# Allegro board MB1045.brd (continued)
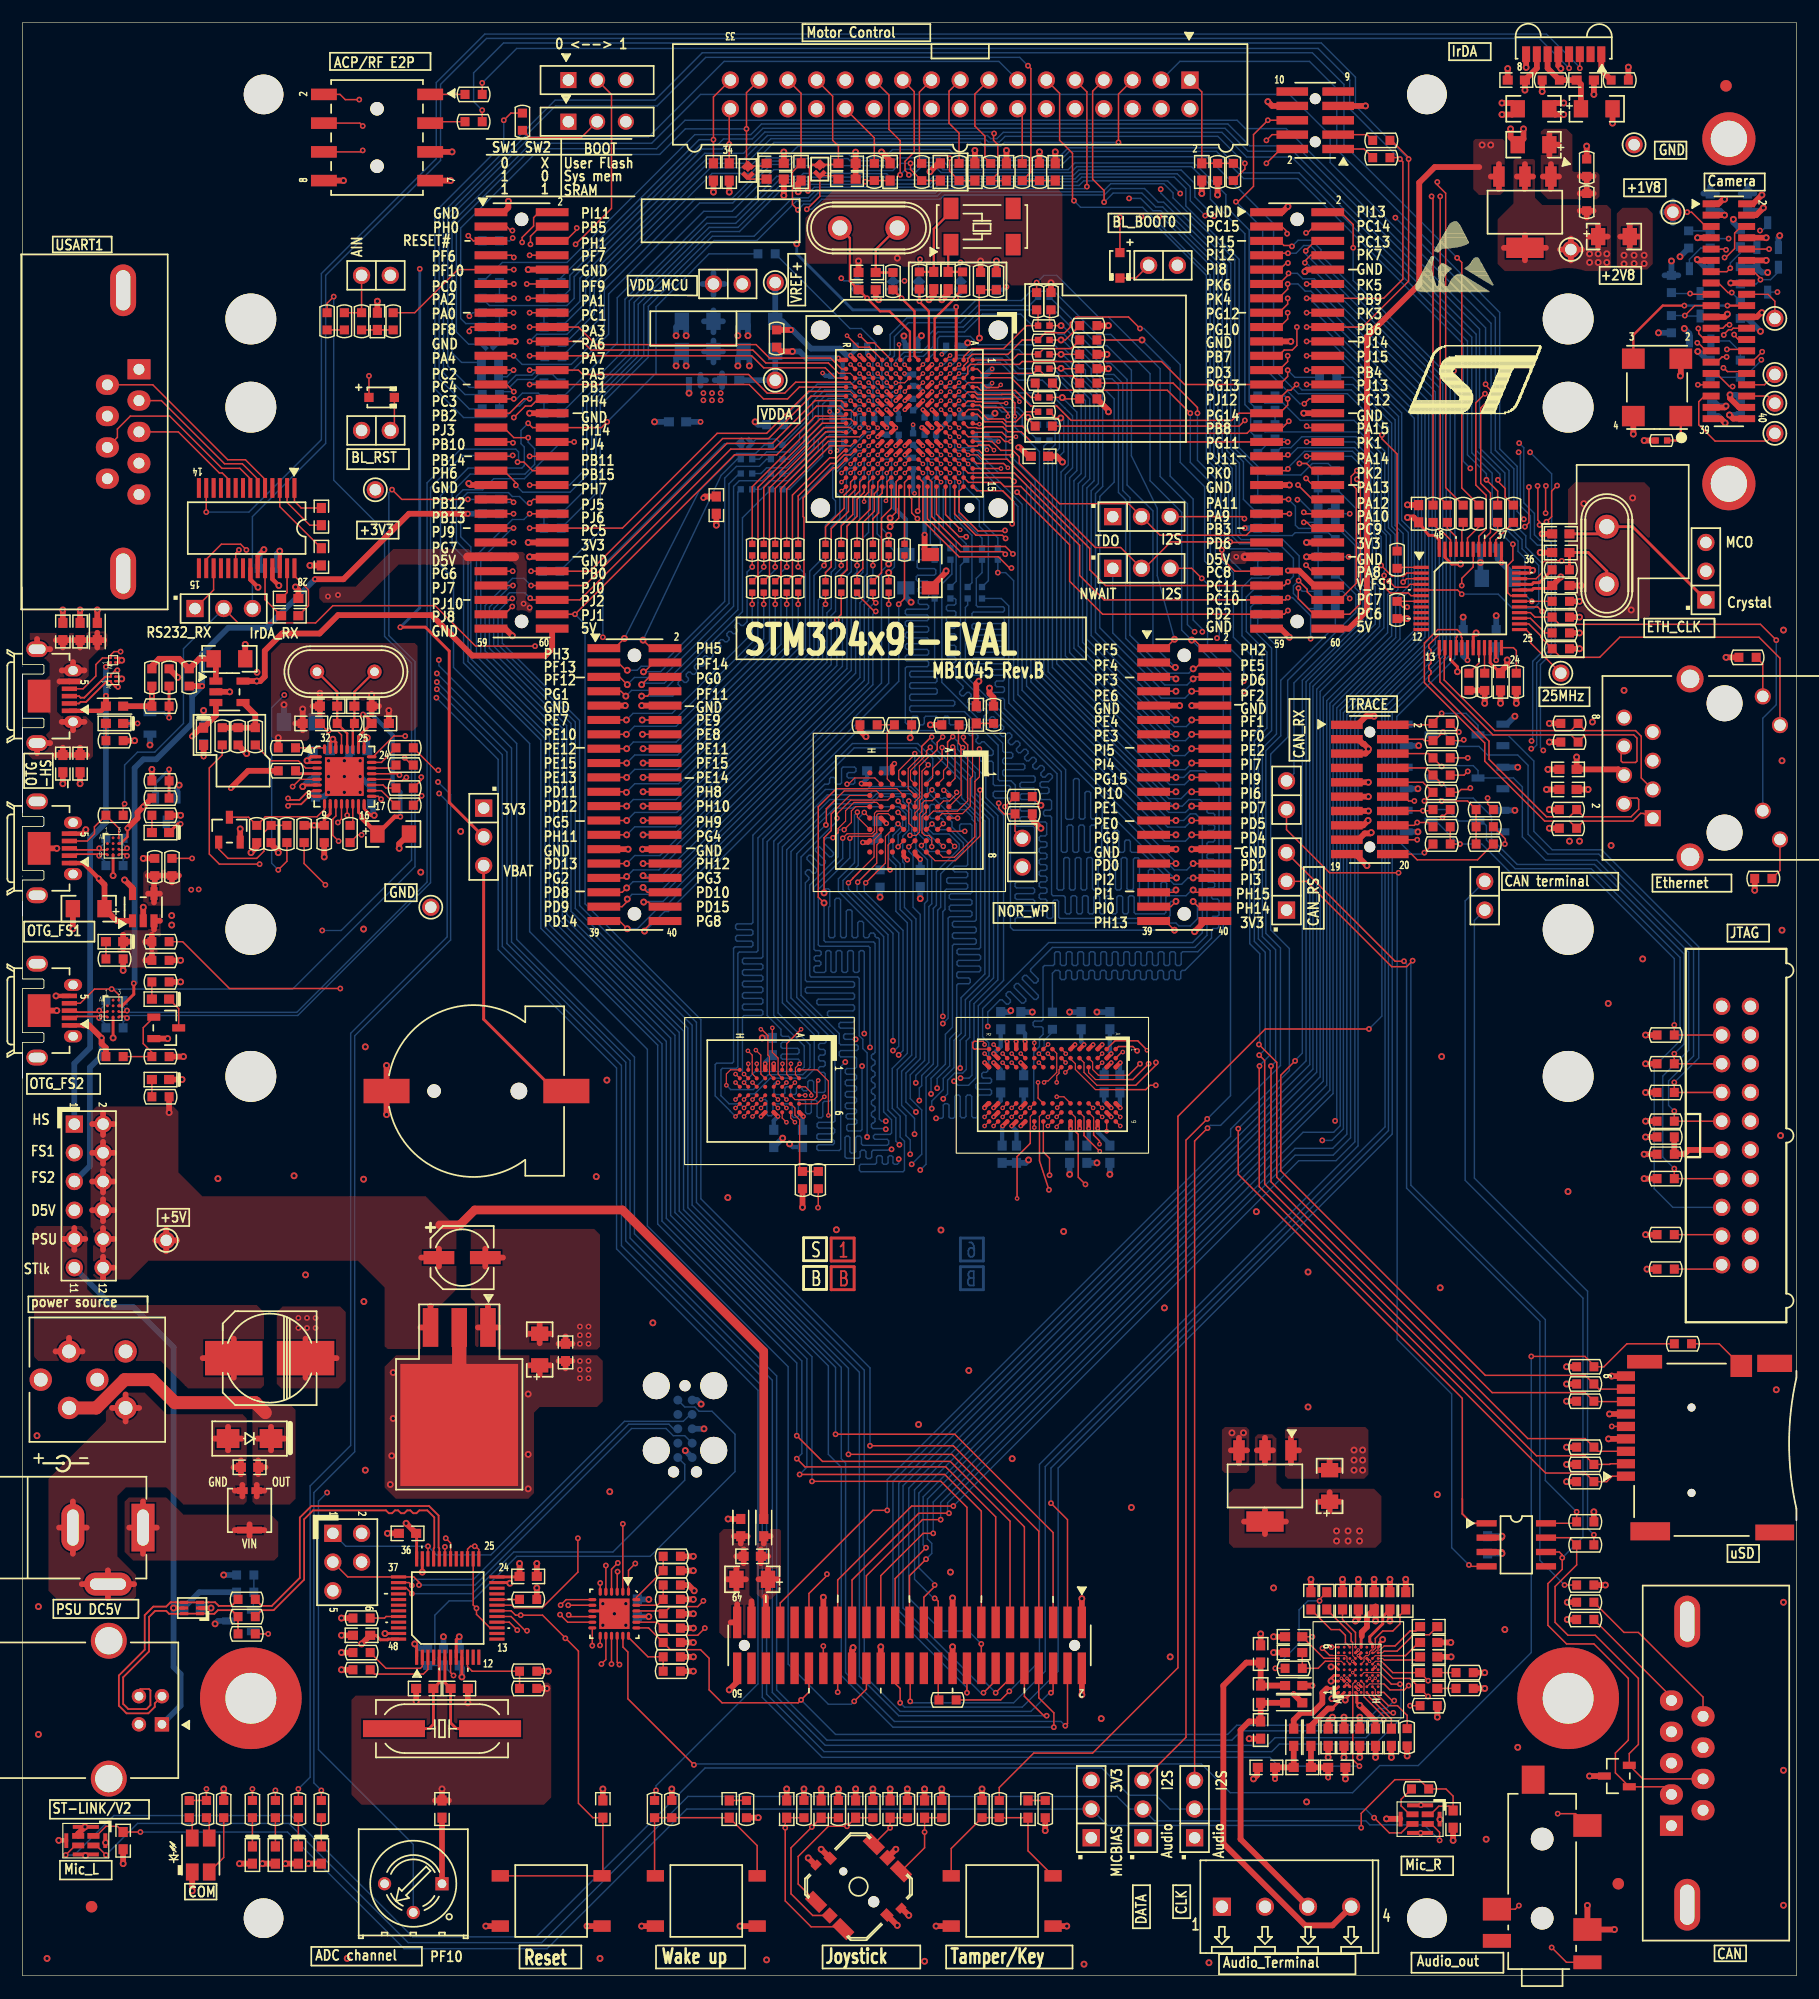
[diagram p0: board, top side]
## Routing (per net, layer and track width the routed paths; a pad name or vN(x,y) marks a point on that pad's centre or on a via; arc(x,y) is an arc through that point) (continued)
  BOTTOM w0.127: v1(107.29,156.88) 109.65,154.51 109.65,142.32 112.95,139.01 v1(113.33,139.01)
PAR_D10: length 115.2
  TOP w0.102: v2(83.61,134.49) 83.62,134.49 84.45,134.49 84.84,134.11 85.09,134.11
  TOP w0.127: v2(83.61,134.49) U3.B11 ; CN5.5 148.84,154.69 147.58,155.96 v1(147.19,155.96) ; 85.09,134.11 87.05,134.11 94.86,126.3 97.09,126.3 JP5.2 99.19,124.46 101.52,126.8 v1(106.78,126.8) 106.83,126.75 CN7.47
  L4_SIG w0.102: v1(100.51,155.57) 101.24,154.84 108.11,154.84 110.24,156.97 123.7,156.97 124.08,156.59 125.22,156.59 125.93,157.3 145.97,157.3 147.19,156.08 v1(147.19,155.96)
  BOTTOM w0.127: v1(106.78,126.8) 106.63,126.95 106.63,133.17 105.33,134.47 105.33,150.93 100.69,155.57 v1(100.51,155.57)
PAR_D11: length 108.2
  TOP w0.127: CN5.6 151.98,154.69 151.38,154.1 151.38,152.73 150.6,151.94 v1(150.5,151.94) ; v1(87.93,131.19) 92.58,126.54 92.58,123.32 95.5,120.4 CN7.57 111.56,120.4 v1(111.89,120.73) ; v2(82.01,133.69) U3.D12
  L4_SIG w0.102: v2(82.01,133.69) 82.45,133.24 83.85,133.24 84.89,132.21 86.93,132.21 87.93,131.2 v1(87.93,131.19) ; v1(111.89,120.73) 112.06,120.9 114.55,120.9 115.77,122.12 115.77,126.26 117.83,128.32 122.63,128.32 123.24,128.93 131.27,128.93 132.89,130.56 135.66,130.56 137.31,132.21 146.56,132.21 152.1,137.74 152.1,147.02 150.99,148.12 150.62,148.12 150.19,148.56 150.19,151.63 v1(150.5,151.94)
  BOTTOM w0.127: v1(111.89,120.73) 111.56,120.4 R294.2
PB0: length 103.3
  TOP w0.127: U3.R5 69.71,139.69 65.96,135.94 61.9,135.94 50.16,124.21 CN6.52 v1(44.96,124.21) ; R102.2 36.53,106.6 v1(36.75,106.6)
  L4_SIG w0.102: v1(36.75,106.6) 36.75,107.06 41.02,111.33 41.02,114.09 41.12,114.19 42.29,114.19 42.39,114.29 42.39,114.5 42.29,114.6 41.12,114.6 41.02,114.7 41.02,114.9 41.12,115 42.29,115 42.39,115.11 42.39,115.31 42.29,115.41 41.12,115.41 41.02,115.51 41.02,115.72 41.12,115.82 42.29,115.82 42.39,115.92 42.39,116.12 42.29,116.22 41.12,116.22 41.02,116.32 41.02,116.53 41.12,116.63 42.29,116.63 42.39,116.73 42.39,116.93 42.29,117.04 41.12,117.04 41.02,117.14 41.02,117.34 41.12,117.44 42.29,117.44 42.39,117.54 42.39,117.75 42.29,117.85 41.12,117.85 41.02,117.95 41.02,118.15 41.12,118.26 42.29,118.26 42.39,118.36 42.39,118.56 42.29,118.66 41.12,118.66 41.02,118.76 41.02,118.97 41.12,119.07 42.29,119.07 42.39,119.17 42.39,119.37 42.29,119.47 41.12,119.47 41.02,119.58 41.02,119.78 41.12,119.88 42.29,119.88 42.39,119.98 42.39,120.19 42.29,120.29 41.12,120.29 41.02,120.39 41.02,120.59 41.12,120.69 42.29,120.69 42.39,120.8 42.39,121 42.29,121.1 41.12,121.1 41.02,121.2 41.02,121.4 41.12,121.51 42.29,121.51 42.39,121.61 42.39,121.81 42.29,121.91 41.12,121.91 41.02,122.01 41.02,122.22 41.12,122.32 42.29,122.32 42.39,122.42 42.39,122.62 42.29,122.73 41.12,122.73 41.02,122.83 41.02,123.03 41.12,123.13 42.29,123.13 42.39,123.23 42.39,123.44 42.29,123.54 41.12,123.54 41.02,123.64 41.02,123.84 41.12,123.94 42.29,123.94 42.39,124.05 42.39,124.25 42.29,124.35 41.15,124.35 41.02,124.48 41.02,124.74 41.15,124.87 48.84,124.87 48.97,124.74 48.97,124.33 48.84,124.21 v1(44.96,124.21)
  BOTTOM w0.127: R282.2 v1(44.96,124.21)
PB1: length 103.5
  TOP w0.127: v1(44.83,140.72) CN6.26 64.24,140.72 65.51,139.45 67.64,139.45 68.68,140.49 U3.R4 ; v1(33.78,107.7) 34.42,107.06 R104.2
  L4_SIG w0.102: v1(33.78,107.7) 33.02,107.7 32.89,107.82 32.89,108.58 33.02,108.71 34.8,108.71 38.51,112.42 38.51,138.53 38.63,138.66 43.06,138.66 43.18,138.78 43.18,138.95 43.06,139.07 38.63,139.07 38.51,139.19 38.51,139.35 38.63,139.47 42.81,139.47 42.93,139.59 42.93,139.76 42.81,139.88 38.65,139.88 38.53,140 38.53,140.17 38.65,140.29 42.8,140.29 42.93,140.41 42.93,140.59 42.8,140.72 38.63,140.72 38.51,140.84 38.51,141.07 38.63,141.2 45.64,141.2 45.77,141.07 45.77,140.84 45.64,140.72 v1(44.83,140.72)
  BOTTOM w0.127: v1(44.83,140.72) 44.96,140.84 R234.2
PB2: length 76.6
  TOP w0.127: CN6.29 43.05,138.18 44.32,139.45 v1(44.83,139.45) ; v1(42.55,164.08) 43.18,164.72 R5.2 ; v2(74.81,140.09) U3.M5
  L4_SIG w0.102: v1(44.83,139.45) 55.12,139.45 59.05,135.51 68.2,135.51 70.23,137.54 72.56,137.54 73.95,138.93 74.16,138.93 74.42,139.2 74.42,139.7 v2(74.81,140.09)
  BOTTOM w0.127: v1(42.55,164.08) 42.55,162.05 36.45,155.96 36.45,140.34 38.99,137.79 42.67,137.79 43.69,138.81 43.94,138.81 44.58,139.45 v1(44.83,139.45)
PB3: length 30
  TOP w0.127: U3.A10 85.7,135.69 86.5,134.89 87.56,134.89 88.13,134.33 88.13,133.74 91.69,130.18 97.79,130.18 JP4.2 100.58,127.38 108.2,127.38 108.84,128.02 CN7.45
PB4: length 212.4
  TOP w0.102: 85.09,136.49 U3.A9
  TOP w0.127: CN7.24 v1(113.54,141.99) ; U15.19 43.26,32.76 43.48,32.54 45.95,32.54 49.1,35.69 v1(49.1,38.68) ; 85.09,136.49 86.6,136.49 87,136.09 v2(87.83,136.09) ; R127.2 v1(123.95,99.31)
  L4_SIG w0.102: v2(87.83,136.09) 92.79,136.09 96.77,140.08 108.2,140.08 110.74,142.62 112.9,142.62 v1(113.54,141.99) 126.51,141.99 v1(126.57,141.93) ; v1(49.1,38.68) 49.1,38.73 51.26,40.89 71.98,40.89 75.29,44.2 78.33,44.2 113.64,79.5 113.64,88.62 123.95,98.93 v1(123.95,99.31)
  BOTTOM w0.127: v1(126.57,141.93) 126.64,141.85 126.64,116.48 121.51,111.35 121.51,100.48 122.81,99.19 123.83,99.19 v1(123.95,99.31)
PB5: length 108.3
  TOP w0.127: CN6.4 45.77,154.69 44.91,153.82 v1(44.91,153.11) ; v1(31.7,104.04) 31.44,104.29 U7.17 ; v2(84.61,137.21) 84.09,137.21 U3.A8
  L4_SIG w0.102: v1(31.7,104.04) 31.7,109.68 34.65,112.62 34.65,144.83 42.6,152.78 44.58,152.78 v1(44.91,153.11) 45.69,153.11 46.23,152.58 50.72,152.58 55.12,148.18 71.65,148.18 76.78,143.05 76.78,142.35 77.09,142.04 77.36,142.04 77.62,141.78 77.62,141.53 77.91,141.24 78.16,141.24 78.49,140.91 78.49,138.94 79.73,137.69 84.12,137.69 v2(84.61,137.21)
PB6: length 397.6
  TOP w0.127: U17.H1 120.36,25.05 121.09,24.32 v1(121.28,24.32) ; R4.1 v1(40.64,164.97) ; R6.1 121.03,162.31 122.56,160.78 v1(122.56,160.66) 122.56,149.86 118.49,145.8 CN7.18 v1(113.54,145.8) ; U3.B6 83.58,139.26 84.16,139.26 84.23,139.19 84.81,139.19 84.93,139.06 86.96,139.06 86.97,139.06 v2(86.97,139.06) ; CN20.40 69.53,25.08 v1(68.83,24.38) 68.58,24.13 61.85,24.13 60.71,25.27 60.71,28.07 59.94,28.83 57.28,28.83 R173.2 55.35,30.75 U16.19
  L4_SIG w0.102: v1(122.56,160.66) 126.03,160.66 126.85,159.84 146.53,159.84 150.14,156.24 151.72,156.24 v1(153.63,154.33) ; v1(116.06,75.59) 116.06,74.2 115.19,73.33 115.19,34.54 117.22,32.51 117.22,31.11 121.28,27.05 v1(121.28,24.32) ; v2(86.97,139.06) 87,139.06 87.63,139.7 90.17,139.7 90.61,140.14 92.52,140.14 95.12,142.75 99.19,142.75 100.08,143.64 108.08,143.64 110.87,146.43 112.9,146.43 v1(113.54,145.8)
  BOTTOM w0.127: v1(68.83,24.38) 71.88,21.34 106.55,21.34 107.36,22.14 118.41,22.14 119.89,23.62 120.59,23.62 v1(121.28,24.32) ; v1(116.06,75.59) 116.2,75.74 116.2,112.12 123.06,118.97 123.06,137.72 114.98,145.8 v1(113.54,145.8) ; TR1.3 154.31,154.81 153.82,154.33 v1(153.63,154.33) ; v1(122.56,160.66) 117.86,165.35 117.86,167.89 114.83,170.92 42.52,170.92 39.88,168.28 39.88,165.74 v1(40.64,164.97)
PB7: length 90.6
  TOP w0.127: v2(88.14,139.19) 88.14,139.32 87.62,139.84 86.6,139.84 86.58,139.83 84.43,139.83 84.2,140.06 83.58,140.06 U3.B5 ; CN5.32 152.28,141.86 150.75,141.86 150.42,142.19 v1(150.39,142.19) ; CN7.21 111.05,143.26 111.56,143.76 112.27,143.76 112.67,144.17 v1(112.67,145.8)
  L4_SIG w0.102: v1(150.39,142.19) 150.39,142.01 148.46,140.08 148.46,137.29 145.31,134.14 132.11,134.14 130.48,135.76 130.48,140.97 126.29,145.16 113.54,145.16 112.9,145.8 v1(112.67,145.8) 111,145.8 106.81,141.6 95.5,141.6 92.84,138.94 88.39,138.94 v2(88.14,139.19)
PB9: length 398
  TOP w0.089: v3(119.11,26.3) U17.F3
  TOP w0.127: R7.1 121.67,160.78 v1(121.79,160.66) 122.05,160.4 122.05,150.04 120.35,148.34 CN7.14 v1(113.54,148.34) ; v2(86.49,140.68) 86.25,140.45 85.23,140.45 84.79,140.89 83.61,140.89 U3.B4 ; CN20.38 v1(70.8,29.15) ; U16.20 56.12,31.25 R171.2 57.28,30.1 59.69,30.1 v1(60.33,30.73) ; R3.1 v1(40.64,167.39)
  L4_SIG w0.102: v1(113.54,148.34) 112.9,148.97 110.74,148.97 109.22,147.45 95.76,147.45 92.2,143.89 90.93,143.89 88.39,141.35 87.15,141.35 v2(86.49,140.68) ; v1(155.17,148.89) 152.92,148.89 152.01,149.8 152.01,153.2 149.91,155.3 149.91,155.92 146.32,159.51 126.67,159.51 126.03,160.15 122.3,160.15 v1(121.79,160.66) ; v1(114.92,73.87) 114.81,73.75 114.81,34.16 116.71,32.26 116.71,31.11 120.02,27.81 120.02,27.21 v3(119.11,26.3) 118.99,26.3 118.17,27.12 118.17,27.76 117.47,28.45 117.47,28.7 114.94,31.24 107.06,31.24 97.28,21.46 77.6,21.46 70.8,28.26 v1(70.8,29.15) 70.8,29.65 69.72,30.73 v1(60.33,30.73)
  BOTTOM w0.127: v1(121.79,160.66) 117.35,165.1 117.35,167.64 114.55,170.43 43.69,170.43 v1(40.64,167.39) ; v1(113.54,148.34) 113.77,148.34 123.7,138.4 123.7,118.59 116.79,111.68 116.79,74.89 115.77,73.87 v1(114.92,73.87) ; v1(155.17,148.89) TR2.3
PB10: length 106.9
  TOP w0.127: v1(43.36,135.56) 43.28,135.64 CN6.33 ; v1(33.32,106.17) 33.2,106.29 U7.21 ; v2(73.21,133.69) U3.P12
  L4_SIG w0.102: v1(33.32,106.17) 39.22,112.06 39.22,128.68 39.34,128.8 39.9,128.8 40.03,128.93 40.03,130.91 40.16,131.04 42.04,131.04 42.16,131.16 42.16,131.33 42.04,131.44 40.07,131.44 39.95,131.56 39.95,131.73 40.07,131.85 42.27,131.85 42.39,131.98 42.39,132.13 42.27,132.26 40.06,132.26 39.93,132.38 39.93,132.59 40.06,132.71 42.32,132.71 42.44,132.84 42.44,132.99 42.32,133.12 39.4,133.12 39.27,133.25 39.27,133.4 39.4,133.53 42.37,133.53 42.49,133.65 42.49,133.81 42.37,133.93 39.34,133.93 39.22,134.06 39.22,134.25 39.34,134.38 42.39,134.38 42.52,134.51 42.52,134.66 42.39,134.79 39.34,134.79 39.22,134.91 39.22,135.06 39.34,135.19 42.37,135.19 42.49,135.32 42.49,135.47 42.37,135.6 39.34,135.6 39.22,135.73 39.22,135.92 39.34,136.04 42.55,136.04 43.03,135.56 v1(43.36,135.56) 48.18,135.56 48.59,135.15 52.63,135.15 55.45,132.33 69.72,132.33 71.08,133.69 v2(73.21,133.69)
PB11: length 106.9
  TOP w0.127: v1(33.93,105.97) 33.83,105.97 33.53,105.66 32.64,105.66 32.51,105.8 U7.20 ; v2(72.41,132.89) U3.R13 ; CN6.36 v1(44.83,134.37)
  L4_SIG w0.102: v1(33.93,105.97) 33.93,106.27 39.57,111.91 39.57,128.3 39.7,128.42 40.28,128.42 40.41,128.55 40.41,130.53 40.54,130.66 42.72,130.66 42.85,130.78 42.85,132.55 42.95,132.66 47.88,132.66 47.98,132.76 47.98,132.96 47.88,133.06 42.95,133.06 42.85,133.16 42.85,134.9 42.98,135.03 44.17,135.03 v1(44.83,134.37) 45.31,134.37 45.41,134.47 45.41,135.03 45.53,135.15 45.7,135.15 45.82,135.03 45.82,134.47 45.92,134.37 46.12,134.37 46.22,134.47 46.22,135.06 46.34,135.18 46.51,135.18 46.63,135.06 46.63,134.47 46.73,134.37 46.93,134.37 47.03,134.47 47.03,135.03 47.15,135.15 47.32,135.15 47.44,135.03 47.44,134.47 47.54,134.37 47.75,134.37 47.85,134.47 47.85,134.96 47.97,135.08 48.13,135.08 48.25,134.96 48.25,134.47 48.36,134.37 48.56,134.37 48.66,134.47 48.66,134.65 48.76,134.75 48.96,134.75 49.07,134.65 49.07,133.93 49.19,133.81 49.35,133.81 49.47,133.93 49.47,134.65 49.57,134.75 49.78,134.75 49.88,134.65 49.88,133.09 50,132.97 50.17,132.97 50.29,133.09 50.29,134.65 50.39,134.75 50.59,134.75 50.69,134.65 50.69,132.25 50.81,132.13 50.98,132.13 51.1,132.25 51.1,134.65 51.2,134.75 51.4,134.75 51.5,134.65 51.5,132.11 51.63,131.98 51.84,131.98 51.97,132.11 51.97,134.62 52.1,134.75 52.3,134.75 52.43,134.62 52.43,132.08 52.55,131.95 52.82,131.95 52.92,132.05 52.92,133.61 53.04,133.73 53.21,133.73 53.33,133.61 53.33,132.05 53.43,131.95 70.23,131.95 71.16,132.89 v2(72.41,132.89)
PB12: length 105.9
  TOP w0.127: CN6.41 43.15,130.56 v1(43.41,130.3) ; v2(75.61,132.89) U3.L13 ; R108.2 35.26,105.74 v1(35.26,105.99)
  L4_SIG w0.102: v1(35.26,105.99) 35.26,107.09 39.93,111.76 39.93,127.91 40.06,128.04 40.72,128.04 40.84,128.17 40.84,130.18 40.97,130.3 v1(43.41,130.3) 43.61,130.3 44.12,129.79 49.15,129.79 49.86,129.08 51.08,129.08 51.18,128.98 51.18,127.69 51.28,127.58 51.49,127.58 51.59,127.69 51.59,128.98 51.69,129.08 51.89,129.08 51.99,128.98 51.99,127.69 52.1,127.58 52.3,127.58 52.4,127.69 52.4,128.98 52.5,129.08 52.71,129.08 52.81,128.98 52.81,127.69 52.91,127.58 53.11,127.58 53.21,127.69 53.21,128.98 53.32,129.08 53.52,129.08 53.62,128.98 53.62,127.69 53.72,127.58 53.92,127.58 54.03,127.69 54.03,128.98 54.13,129.08 54.33,129.08 54.43,128.98 54.43,127.69 54.53,127.58 54.74,127.58 54.84,127.69 54.84,128.98 54.94,129.08 55.14,129.08 55.25,128.98 55.25,127.69 55.35,127.58 55.55,127.58 55.65,127.69 55.65,128.98 55.75,129.08 55.96,129.08 56.06,128.98 56.06,127.69 56.16,127.58 56.36,127.58 56.46,127.69 56.46,128.98 56.57,129.08 56.77,129.08 56.87,128.98 56.87,127.69 56.97,127.58 57.18,127.58 57.28,127.69 57.28,128.98 57.38,129.08 57.58,129.08 57.68,128.98 57.68,127.69 57.79,127.58 57.99,127.58 58.09,127.69 58.09,128.98 58.19,129.08 58.4,129.08 58.5,128.98 58.5,127.69 58.6,127.58 58.8,127.58 58.9,127.69 58.9,128.98 59,129.08 59.21,129.08 59.31,128.98 59.31,127.69 59.41,127.58 59.61,127.58 59.72,127.69 59.72,128.98 59.82,129.08 60.02,129.08 60.12,128.98 60.12,127.69 60.22,127.58 60.43,127.58 60.53,127.69 60.53,128.98 60.63,129.08 62.5,129.08 65.34,126.24 71.25,126.24 75.61,130.6 v2(75.61,132.89)
  BOTTOM w0.127: v1(43.41,130.3) 42.42,130.3 R260.2
PB13: length 105.6
  TOP w0.127: U3.K14 76.44,132.12 76.44,130.53 v2(76.34,130.43) ; CN6.43 v1(43.41,129.29) ; v1(35.28,104.34) 35.28,104.24 R112.2
  L4_SIG w0.102: v2(76.34,130.43) 76.34,129.93 71.88,125.48 65.02,125.48 63.86,126.64 49.76,126.64 49.63,126.77 49.63,127.97 49.5,128.09 49.28,128.09 49.15,127.97 49.15,126.77 49.02,126.64 48.82,126.64 48.69,126.77 48.69,128.68 48.56,128.8 48.34,128.8 48.21,128.68 48.21,126.74 48.09,126.62 47.92,126.62 47.8,126.74 47.8,128.71 47.69,128.83 47.52,128.83 47.4,128.71 47.4,126.76 47.28,126.64 47.11,126.64 46.99,126.76 46.99,128.74 46.87,128.85 46.7,128.85 46.59,128.74 46.59,126.79 46.47,126.67 46.3,126.67 46.18,126.79 46.18,128.74 46.06,128.85 45.89,128.85 45.77,128.74 45.77,127.58 45.65,127.46 45.49,127.46 45.37,127.58 45.37,128.6 45.24,128.73 44.48,128.73 44.35,128.85 44.35,129.26 44.22,129.39 44.04,129.39 43.92,129.26 43.92,128.6 43.79,128.47 43.54,128.47 43.41,128.6 v1(43.41,129.29) 43.41,129.59 43.28,129.72 42.34,129.72 42.21,129.59 42.21,127.28 42.09,127.15 41.86,127.15 41.73,127.28 41.73,129.59 41.61,129.72 41.38,129.72 41.25,129.59 41.25,127.66 41.12,127.53 40.41,127.53 40.28,127.41 40.28,111.61 35.69,107.01 35.69,105.64 35.56,105.51 33.48,105.51 33.35,105.38 33.35,105.11 33.48,104.98 34.26,104.98 34.39,104.85 34.39,104.67 34.26,104.55 33.45,104.55 33.32,104.42 33.32,104.11 33.45,103.99 35.15,103.99 35.28,104.11 v1(35.28,104.34)
  BOTTOM w0.127: R264.2 v1(43.41,129.29)
PB14: length 110
  TOP w0.127: v2(72.41,132.09) U3.R14 ; CN6.35 43.15,134.37 43.23,134.44 v1(43.33,134.44)
  TOP w0.155: D6.D3 8.56,84.83 9.09,84.83 v1(9.23,84.69)
  L4_SIG w0.102: v2(72.41,132.09) 71.89,131.57 50.75,131.57 48.49,133.83 44.6,133.83 43.99,134.44 v1(43.33,134.44)
  BOTTOM w0.127: R302.2 8.89,84.35 v1(9.23,84.69) 9.45,84.91 24.33,84.91 36.07,96.65 36.07,131.6 38.91,134.44 v1(43.33,134.44)
PB15: length 116.3
  TOP w0.127: CN6.38 45.09,133.1 44.32,133.86 v1(43.76,133.86) ; v2(72.41,131.29) U3.R15
  TOP w0.155: v1(9.23,85.35) 9.09,85.21 8.56,85.21 D6.C3
  L4_SIG w0.102: v2(72.41,131.29) 72.41,129.31 71.25,128.14 66.49,128.14 63.44,131.19 50.57,131.19 48.34,133.43 44.2,133.43 v1(43.76,133.86)
  BOTTOM w0.127: R300.2 8.89,85.69 v1(9.23,85.35) 9.39,85.19 24.25,85.19 35.76,96.71 35.76,132.02 38.75,135 43.61,135 43.85,134.75 43.85,133.95 v1(43.76,133.86)
PC0: length 107.8
  TOP w0.127: v2(74.81,142.49) U3.M2 ; U7.13 v1(28.7,102.62) ; CN6.11 v1(43.43,149.61)
  L4_SIG w0.102: v1(28.7,102.62) 28.7,101.73 28.82,101.6 30.35,101.6 30.48,101.73 30.48,103.12 30.61,103.25 32.08,103.25 32.21,103.38 32.21,109.68 34.91,112.38 36.59,112.38 37.47,113.26 37.47,142.75 40.01,145.29 40.01,146.56 40.12,146.68 42.44,146.68 42.55,146.78 42.55,146.98 42.44,147.08 40.42,147.08 40.32,147.18 40.32,147.45 40.45,147.57 42.67,147.57 42.8,147.7 42.8,147.96 42.67,148.08 40.77,148.08 40.64,148.21 40.64,148.46 40.77,148.59 42.29,148.59 42.42,148.72 42.42,148.97 42.29,149.1 41.53,149.1 41.4,149.22 41.4,149.48 41.53,149.61 v1(43.43,149.61) 44.07,148.97 51.18,148.97 53.98,146.18 66.55,146.18 67.82,144.91 68.71,144.91 69.8,143.81 73.2,143.81 73.65,143.36 73.65,143.14 73.92,142.88 74.42,142.88 v2(74.81,142.49)
PC1: length 37.3
  TOP w0.127: U3.M3 v2(74.81,141.69) ; CN6.16 v1(44.83,147.07)
  L4_SIG w0.102: v1(44.83,147.07) 50.67,147.07 54.23,143.51 66.04,143.51 67.44,142.11 74.38,142.11 v2(74.81,141.69)
  BOTTOM w0.127: v1(44.83,147.07) R218.2 R222.2
PC2: length 40.9
  TOP w0.127: CN6.23 v1(43.41,141.99) ; U3.M4 v2(74.81,140.89)
  L4_SIG w0.102: v2(74.81,140.89) 74.39,140.46 72.01,140.46 68.07,136.53 59.18,136.53 54.15,141.55 43.84,141.55 v1(43.41,141.99)
  BOTTOM w0.127: R228.2 R232.2 42.82,141.4 v1(43.41,141.99)
PC3: length 45
  TOP w0.127: U3.L4 v2(75.61,140.89) ; CN6.27 v1(43.43,139.45)
  L4_SIG w0.102: v1(43.43,139.45) 44.07,138.81 52.83,138.81 57.02,134.62 68.71,134.62 71.27,137.19 72.67,137.19 73.53,138.05 74.93,138.05 75.18,138.3 75.18,140.46 75.61,140.89 v2(75.61,140.89)
  BOTTOM w0.127: v1(43.43,139.45) 43.69,139.45 44.2,139.95 45.59,139.95 R238.2 R242.2
PC4: length 39.8
  TOP w0.127: v1(43.43,140.08) 42.8,140.72 CN6.25 ; v2(74.01,140.09) U3.N5
  L4_SIG w0.102: v1(43.43,140.08) 55.12,140.08 59.13,136.07 68.12,136.07 69.98,137.92 72.39,137.92 73.65,139.19 73.65,139.43 73.66,139.44 73.66,139.83 73.92,140.09 v2(74.01,140.09)
  BOTTOM w0.127: v1(43.43,140.08) 42.42,140.08 R235.2 R239.2
PC5: length 36.5
  TOP w0.102: 71.63,140.11 73.19,140.11 U3.P5
  TOP w0.127: v1(44.83,128.02) CN6.46 53.04,128.02 61.42,136.4 65.79,136.4 69.49,140.11 71.63,140.11
  BOTTOM w0.127: v1(44.83,128.02) R267.2 R263.2
PC13: length 205.8
  TOP w0.127: CN7.6 114.3,153.42 113.46,152.58 v1(113.46,152.53) ; v1(119.05,83.72) 109.88,83.72 102.16,76 102.16,27.23 94.61,19.68 89.41,19.68 86.36,16.64 R202.2 ; U3.D1 v2(82.01,143.29)
  L4_SIG w0.102: v2(82.01,143.29) 82.01,144.34 85.75,148.08 90.17,148.08 94.64,152.55 109.75,152.55 110.41,151.89 112.62,151.89 113.26,152.53 v1(113.46,152.53)
  BOTTOM w0.127: v1(119.05,83.72) 120.19,84.86 120.19,112.55 125.27,117.63 125.27,140.44 113.46,152.25 v1(113.46,152.53)
PC14: length 8.1
  TOP w0.203: U3.E1 80.64,143.05 80.64,146.56 82.42,148.34 v1(82.55,148.34) 82.55,148.59 R19.2
  BOTTOM w0.203: v1(82.55,148.34) 82.92,148.71 SB3.1
PC15: length 7.6
  TOP w0.203: U3.F1 80.14,143.01 80.14,147.19 79.3,148.03 v1(79.3,148.09) R18.2
  BOTTOM w0.203: SB4.1 79.24,148.09 79.3,148.03 v1(79.3,148.09)
PD4: length 127.4
  TOP w0.102: v5(72.9,105.37) 73.03,105.37 73.57,105.92 75.36,105.92 U8.G2 ; U11.A2 68.33,79.69 68.33,80.27 v2(68.71,80.64)
  TOP w0.127: v2(82.01,134.49) U3.D11 ; CN12.28 v4(103.38,100.89)
  L4_SIG w0.102: v5(72.9,105.37) 73.49,104.78 77.06,104.78 77.57,104.26 77.8,104.03 77.8,103.68 80.09,101.4 81.48,101.4 82.06,101.98 98.76,101.98 99.14,101.6 102.67,101.6 v4(103.38,100.89)
  BOTTOM w0.127: v4(103.38,100.89) 102.82,100.33 100.97,100.33 88.01,113.28 88.01,129.92 83.82,134.11 82.42,134.11 82.05,134.49 v2(82.01,134.49) ; v5(72.9,105.37) 73.46,105.37 73.58,105.5 73.58,105.79 73.46,105.92 73.03,105.92 72.9,106.05 72.9,106.27 73.03,106.4 73.56,106.4 73.69,106.53 73.69,106.76 73.56,106.88 72.54,106.88 72.42,106.76 72.42,105.5 72.29,105.37 71.99,105.37 71.86,105.5 71.86,105.84 71.73,105.97 71.48,105.97 71.35,105.84 71.35,105.5 71.22,105.37 70.92,105.37 65.84,100.28 65.84,84.91 67.06,83.69 67.06,83.2 67.18,83.07 67.72,83.07 67.84,82.94 67.84,82.69 67.72,82.56 67.18,82.56 67.06,82.43 67.06,82.14 67.18,82.01 68.53,82.01 68.66,81.88 68.66,81.63 68.53,81.5 67.18,81.5 67.06,81.38 67.06,81.18 67.18,81.05 68.58,81.05 68.71,80.92 v2(68.71,80.64)
PD5: length 63.1
  TOP w0.127: v2(82.81,135.29) U3.C10 ; CN12.26 v4(103.38,102.16) ; R110.2 v4(90.04,103.5)
  L4_SIG w0.102: v4(103.38,102.16) 103.38,102.77 103.28,102.87 99.06,102.87 98.42,103.5 v4(90.04,103.5)
  BOTTOM w0.127: v2(82.81,135.29) 82.97,135.13 84.07,135.13 86.31,132.89 87.71,132.89 88.77,131.83 88.77,114.05 101.24,101.57 102.79,101.57 v4(103.38,102.16)
PD7: length 75.1
  TOP w0.127: U3.A11 84.57,134.89 84.96,134.49 87.4,134.49 v2(87.48,134.42) ; R93.2 78.61,109.6 v4(78.49,109.47) ; CN12.24 v4(103.38,103.43)
  L4_SIG w0.102: v4(103.38,103.43) 102.79,104.01 99.06,104.01 98.63,104.44 84.02,104.44 82.3,106.17 80.14,106.17 78.11,108.2 78.11,109.09 v4(78.49,109.47)
  BOTTOM w0.127: v2(87.48,134.42) 87.48,134.26 89.53,132.21 89.53,114.68 101.35,102.87 102.82,102.87 v4(103.38,103.43)
PE0: length 141.2
  TOP w0.102: U11.A1 70.26,80.11 71.25,79.12 v2(71.25,76.07) ; v2(89.46,75.01) U10.K9
  TOP w0.127: U3.A6 84.63,138.89 84.84,138.68 86.64,138.68 87.12,138.2 v2(87.12,137.9) ; CN12.25 v4(101.98,102.16)
  L4_SIG w0.102: v2(71.25,76.07) 76.45,76.07 76.71,75.82 v1(80.77,75.82) 81.13,76.17 84.18,76.17 84.7,76.7 84.7,76.89 84.91,77.1 87.61,77.1 87.81,76.89 87.81,76.65 88.17,76.3 88.57,76.3 88.7,76.17 88.7,75.72 88.82,75.59 90.02,75.59 90.14,75.46 90.14,74.19 90.02,74.07 89.59,74.07 89.46,74.19 v2(89.46,75.01)
  BOTTOM w0.127: v1(80.77,75.82) 81.28,75.82 81.41,75.95 81.41,76.99 81.54,77.11 81.79,77.11 81.92,76.99 81.92,75.95 82.04,75.82 82.3,75.82 82.42,75.95 82.42,77.75 82.55,77.88 82.78,77.88 82.91,77.75 82.91,76 83.04,75.87 83.29,75.87 83.42,76 83.42,77.75 83.54,77.88 83.8,77.88 83.93,77.75 83.93,76 84.05,75.87 84.31,75.87 84.43,76 84.43,77.75 84.56,77.88 85.55,77.88 85.67,78 85.67,78.26 85.55,78.38 84.43,78.38 84.3,78.51 84.3,78.79 84.43,78.92 85.55,78.92 85.67,79.04 85.67,79.25 85.55,79.38 84.94,79.38 84.81,79.51 84.81,79.76 84.94,79.89 85.22,79.89 85.34,80.01 85.34,80.5 85.43,80.59 85.43,80.89 85.34,80.98 85.34,81.3 85.43,81.39 85.43,81.69 85.34,81.78 85.34,82.1 85.43,82.19 85.43,82.49 84.89,83.03 84.89,85.52 90.73,91.36 103.45,91.36 104.32,92.23 104.32,102.16 103.73,102.74 103.25,102.74 102.67,102.16 v4(101.98,102.16) 101.42,102.16 89.15,114.43 89.15,132.03 86.94,134.24 86.94,137.72 v2(87.12,137.9)
PE1: length 146.1
  TOP w0.102: U11.B2 67.56,79.71 67.56,82.42 67.94,82.8 ; v2(89.46,82.5) U10.K1
  TOP w0.127: v2(87.74,137.9) 87.74,139.08 87.36,139.46 86.76,139.46 86.74,139.45 84.43,139.45 84.19,139.69 U3.A5 ; v2(68.83,83.69) 67.94,82.8 ; CN12.23 v4(101.98,103.43)
  L4_SIG w0.102: v2(68.83,83.69) 68.91,83.77 85.17,83.77 v1(85.34,83.95) 85.34,83.92 85.47,83.79 86.46,83.79 86.59,83.67 86.59,83.21 86.69,83.11 86.89,83.11 86.99,83.21 86.99,83.85 87.12,83.97 87.33,83.97 87.45,83.85 87.45,82.09 87.58,81.97 88.11,81.97 88.24,82.09 88.24,83.95 88.37,84.07 89.44,84.07 89.56,83.95 89.56,83.79 89.44,83.67 88.7,83.67 88.57,83.54 88.57,83.36 88.7,83.24 89.46,83.24 89.59,83.11 89.59,83.01 89.46,82.88 89.15,82.88 89.03,82.75 89.03,82.37 88.9,82.25 88.69,82.25 88.57,82.13 88.57,81.96 88.69,81.84 88.98,81.84 89.1,81.72 89.1,81.55 88.98,81.43 88.77,81.43 88.65,81.31 88.65,81.15 88.77,81.03 88.9,81.03 89.03,80.9 89.03,80.75 88.9,80.62 88.67,80.62 88.54,80.49 88.54,80.37 88.67,80.24 89.33,80.24 89.46,80.37 v2(89.46,82.5)
  BOTTOM w0.127: v2(87.74,137.9) 87.77,137.87 87.77,136.92 89.92,134.78 89.92,115 101.21,103.71 101.46,103.71 101.74,103.43 v4(101.98,103.43) 102.54,103.43 103.12,104.01 104.09,104.01 104.72,103.38 104.72,102.93 104.85,102.8 105.28,102.8 105.41,102.67 105.41,102.42 105.28,102.29 104.85,102.29 104.72,102.16 104.72,101.91 104.85,101.78 105.28,101.78 105.41,101.66 105.41,101.4 105.28,101.28 104.85,101.28 104.72,101.15 104.72,100.89 104.85,100.77 105.28,100.77 105.41,100.64 105.41,100.39 105.28,100.26 104.85,100.26 104.72,100.13 104.72,99.88 104.85,99.75 105.28,99.75 105.41,99.62 105.41,99.37 105.28,99.24 104.85,99.24 104.72,99.12 104.72,98.86 104.85,98.74 105.28,98.74 105.41,98.61 105.41,98.35 105.28,98.23 104.85,98.23 104.72,98.1 104.72,97.85 104.85,97.72 105.28,97.72 105.41,97.59 105.41,97.34 105.28,97.21 104.85,97.21 104.72,97.08 104.72,96.83 104.85,96.7 105.28,96.7 105.41,96.58 105.41,96.32 105.28,96.2 104.85,96.2 104.72,96.07 104.72,92 103.66,90.93 91.06,90.93 89.13,89 89.13,88.82 89.8,88.15 89.8,87.97 89.62,87.79 89.44,87.79 88.77,88.46 88.59,88.46 88.41,88.28 88.41,88.1 89.82,86.69 89.82,86.51 89.64,86.33 89.46,86.33 88.05,87.74 87.87,87.74 87.69,87.56 87.69,87.38 88.7,86.37 88.7,86.19 88.52,86.01 88.34,86.01 87.33,87.02 87.15,87.02 86.97,86.84 86.97,86.66 87.35,86.28 87.35,86.1 87.17,85.92 86.99,85.92 86.61,86.3 86.43,86.3 85.34,85.22 v1(85.34,83.95)
PF6: length 249.6
  TOP w0.089: 120.4,26.42 120.01,26.8 119.76,26.8 119.76,26.8 119.46,26.8 119.46,26.8 119.26,26.8 119.26,26.8 118.96,26.8 118.96,26.8 118.61,26.8 U17.E4
  TOP w0.127: 120.4,26.42 121.03,25.78 v1(121.79,25.78) ; CN6.7 43.23,152.15 43.42,151.96 v1(43.43,151.96) ; v2(76.4,142.49) U3.K2
  L4_SIG w0.102: v2(76.4,142.49) 74.7,144.2 74.12,144.2 73.28,145.03 73.28,145.29 71.09,147.47 54.58,147.47 50.42,151.64 43.94,151.64 43.64,151.94 43.45,151.94 v1(43.43,151.96) 42.86,151.96 35.26,144.35 35.26,115.77 v1(36.63,114.4)
  BOTTOM w0.127: v1(36.63,114.4) 42.82,108.2 42.82,91.28 53.33,80.77 53.33,64.98 65.79,52.53 65.79,24.89 70.87,19.81 110.45,19.81 111.12,20.48 119.6,20.48 121.88,22.76 121.88,25.7 v1(121.79,25.78)
